# Altium PCB EASY-EAI-Nano-TB V1.01.PCBDOC (part 7 of 7) (continued)
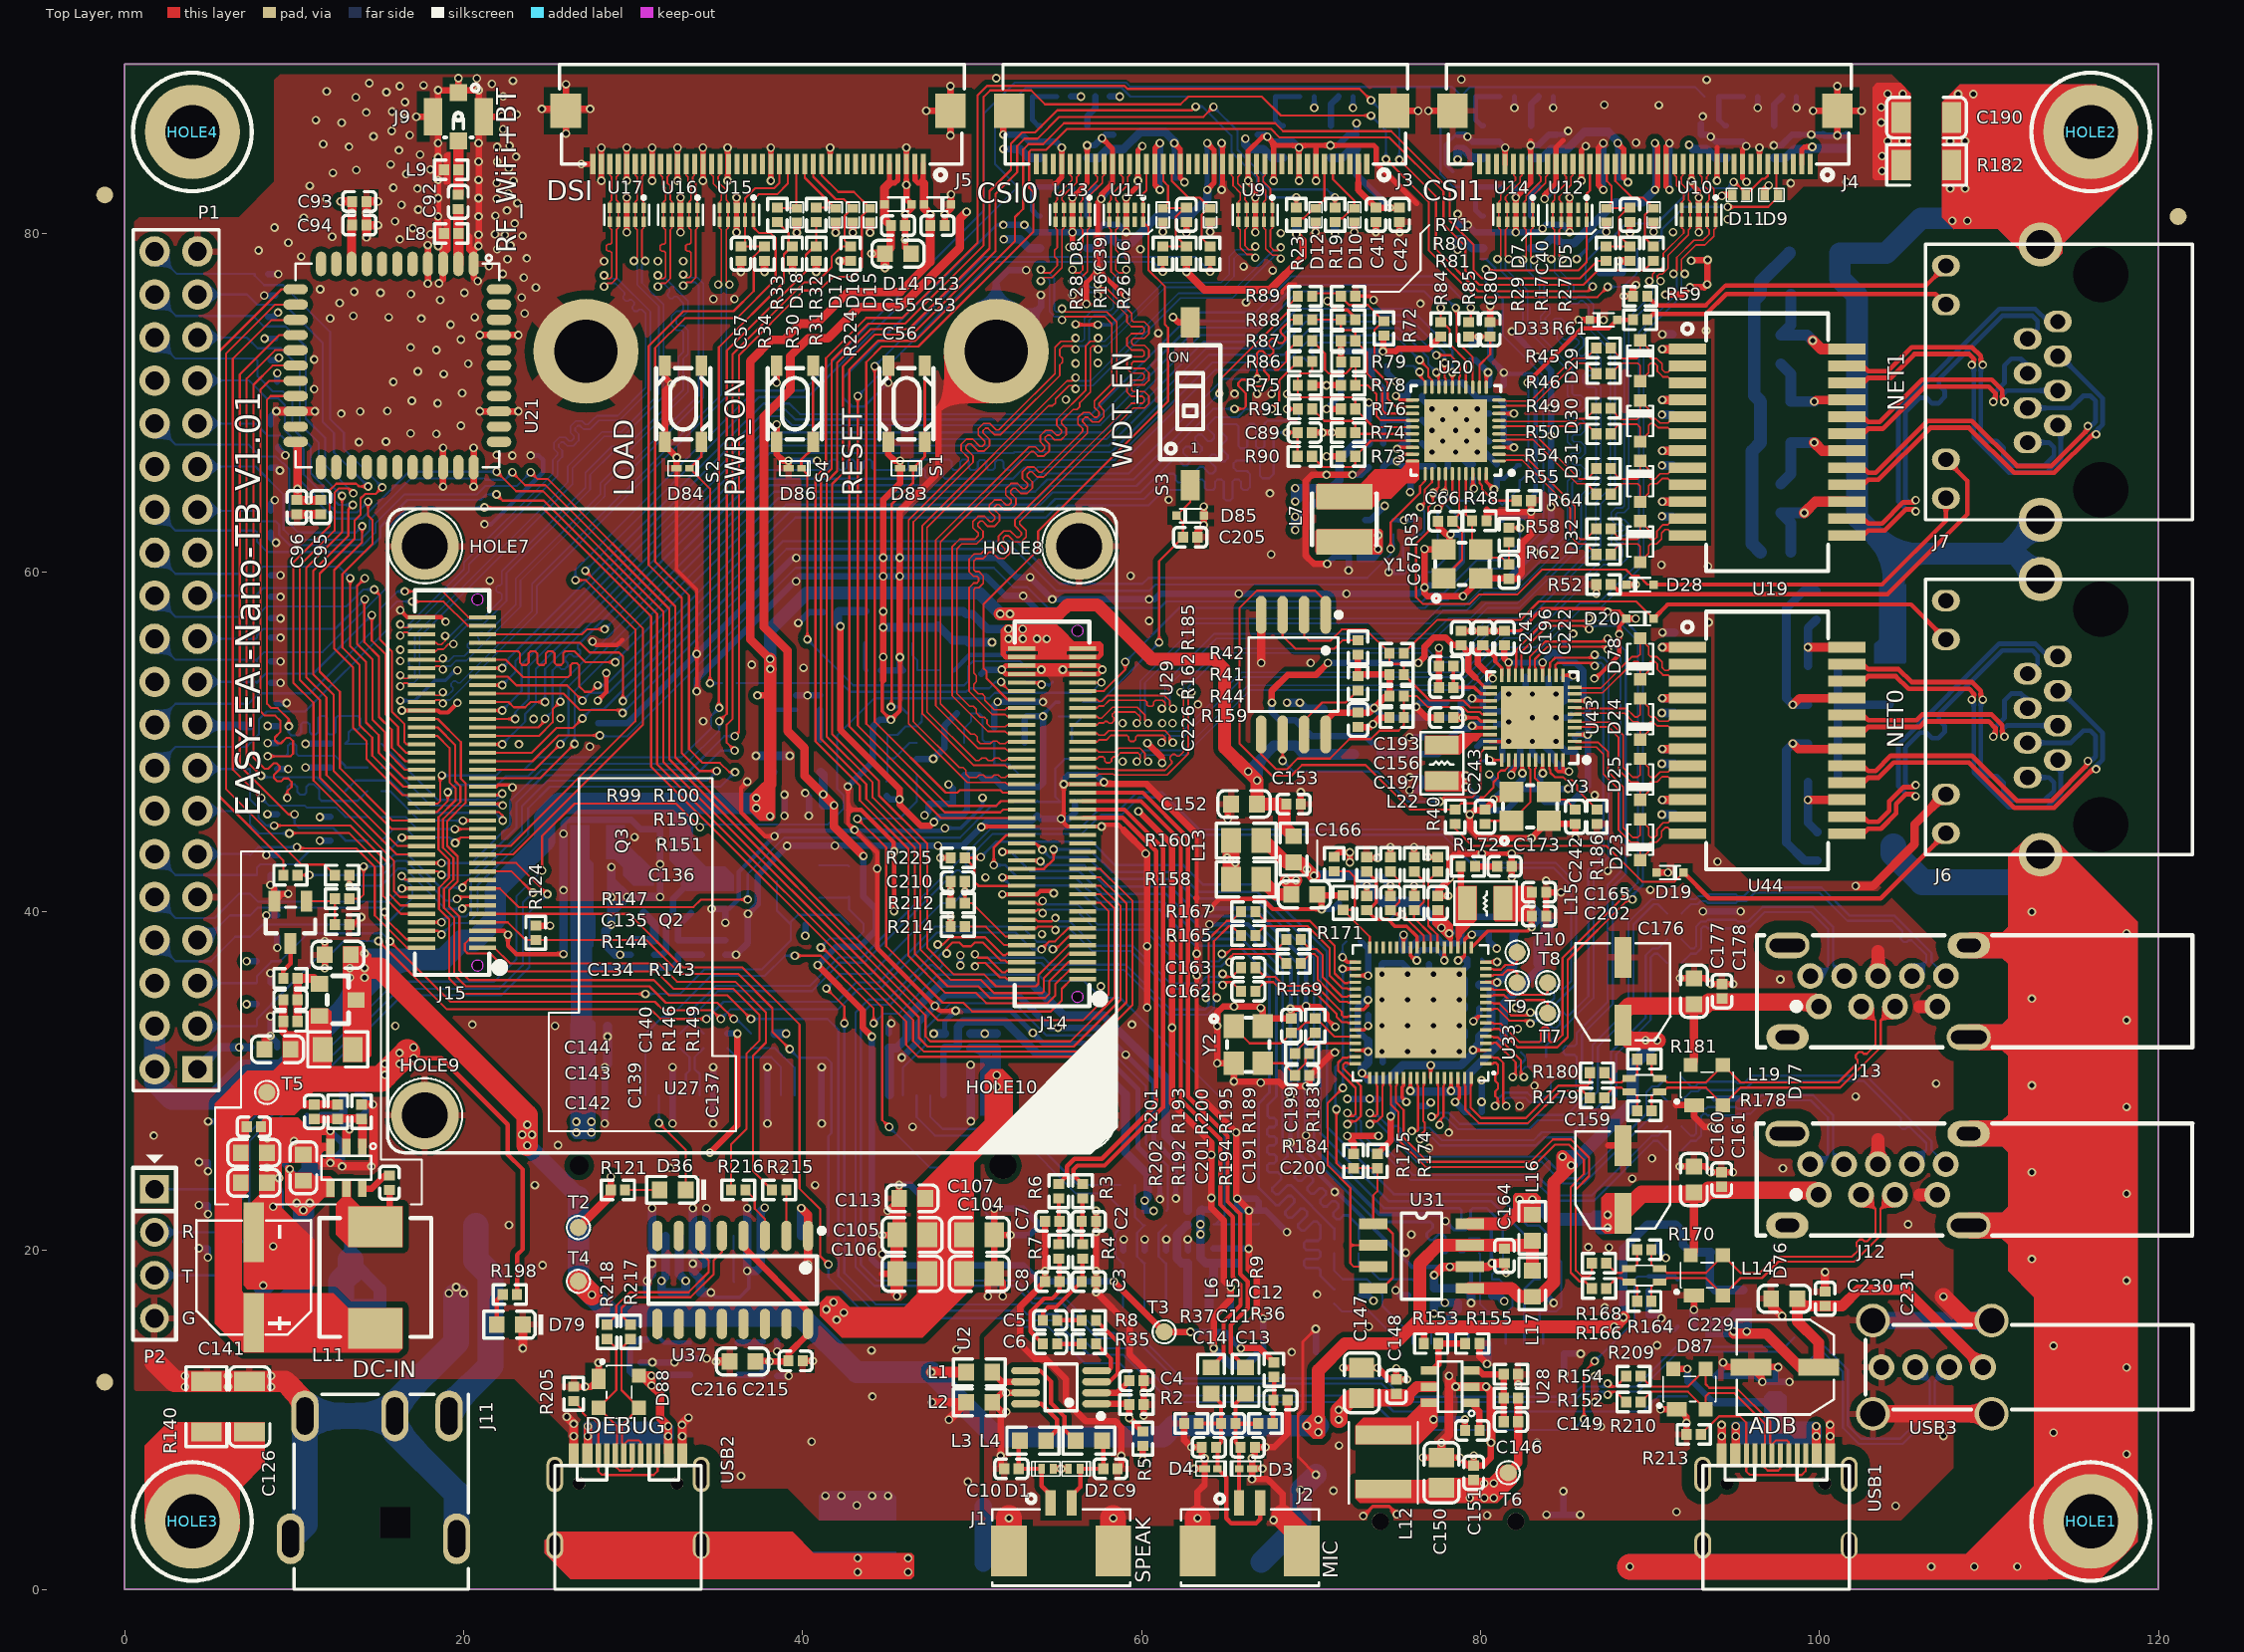
[diagram p0: Top Layer view]
## Nets (pads, with @x,y where several pads share a name; then routed paths per layer and width w, separated by ;. In a path a pad name is that pad's centre, name@x,y a point inside that pad or via, vN(x,y) a via of type N, cw(c..) or ccw(c..) an arc to the next point about the centre after c; other vN are vias at no path point) (continued)
  Bottom Layer w0.381: C184.1@73.372,32.367 72.755,32.985 72.755,34.348 73.187,34.78 v1(73.361,34.78) 73.372,34.791 C185.1@73.372,35.415
  Bottom Layer w0.508: C184.1@73.372,32.367 C186.1@73.372,31.097 73.014,30.739 v1(73.014,30.458) 73.39,30.081 74.559,30.081 75.403,30.925 v1(77.064,30.925) C189.1@77.861,30.926 C189.1@77.861,30.926 78.846,30.926 79.557,31.637 v1(79.557,31.818) 79.937,32.198 C188.1@79.937,32.621 80.618,33.302 80.618,35.456 v1@80.831,35.669 ; C187.1@79.937,35.669 v1@80.831,35.669 ; L18.2@81.917,36.755 v1(80.98,35.818) v1@80.831,35.669 ; L18.2@81.958,36.921 81.958,38.64 C183.1@82.035,38.717
WDT_3V3: C59.2 C121.1 C124.2 R134.2 R135.2 R136.2 U18.5 U24.5 U25.5 | length 35.3
  Top Layer w0.381: v1(42.233,56.827) 42.233,50.715 45.72,47.227 v1(45.72,46.609) 45.72,46.314 46.981,45.053 47.538,45.053 v1(47.76,45.275)
  Bottom Layer w0.203: v1(54.182,51.513) 54.182,51.614 54.918,52.35 R135.2@55.128,52.35
  Bottom Layer w0.381: R134.2@44.958,46.819 45.168,46.609 v1(45.72,46.609) ; v1(47.76,45.275) 48.059,45.574 49.326,45.574 49.711,45.959 C121.1@49.711,46.337 49.711,47.888 U24.5@49.543,48.056 50.427,48.056 50.648,47.835 R136.2@51.308,47.835 51.8,47.343 53.949,47.343 54.182,47.575 v1(54.182,51.513) C124.2@53.212,51.513 53.093,51.395 U25.5@53.093,49.954
  Bottom Layer w0.508: v1(42.233,56.827) 42.081,56.979 C59.2@42.081,57.658 42.142,57.719 U18.5@43.685,57.719
WDT_EN: R135.1 R207.1 U25.1 | length 3.2
  Bottom Layer w0.127: R135.1@55.128,51.5 R207.1@56.525,51.5 55.893,50.868 U25.1@55.893,49.954
WIFI_ON: J15.13 R99.1 | length 12.4
  Top Layer w0.127: R99.1@10.214,42.146 v1(10.895,42.146) ; v1(19.609,40.742) 19.727,40.859 J15.13@21.124,40.859
  Bottom Layer w0.127: v1(10.895,42.146) 15.209,42.146 16.055,42.992 16.603,42.992 18.956,40.639 19.557,40.639 19.609,40.691 19.603,40.696 19.603,40.736 v1(19.609,40.742)
WIFI_WAKE_HOST: J15.11 R100.1 | length 10
  Top Layer w0.127: v1(13.262,41.514) R100.1@13.262,42.146 ; v1(19.925,40.162) 19.922,40.165 20.116,40.359 J15.11@21.124,40.36
  Bottom Layer w0.127: v1(13.262,41.514) 15.126,41.514 16.139,42.527 16.557,42.527 18.938,40.146 19.902,40.146 19.918,40.162 v1(19.925,40.162)
X1: C200.2 R184.2 U33.45 Y2.3 | length 6.7
  Top Layer w0.127: Y2.3@67.281,31.038 68.351,31.038 C200.2@69.054,30.335 69.054,30.418 69.68,31.044 69.68,31.381 R184.2@69.904,31.605 70.517,32.218 U33.45@72.614,32.218
X2: C199.2 R183.1 U33.44 Y2.1 | length 8.7
  Top Layer w0.127: Y2.1@65.454,33.238 65.454,33.138 66.378,32.215 68.228,32.215 C199.2@68.844,32.831 69.069,33.056 69.279,33.056 69.676,33.453 70.013,33.453 R183.1@70.241,33.681 70.324,33.681 71.387,32.618 U33.44@72.614,32.618
XTALI: C243.2 U43.35 Y3.1 | length 5.7
  Top Layer w0.127: C243.2@80.264,45.168 80.449,45.353 Y3.1@81.831,45.353 82.951,46.472 82.951,48.371 82.858,48.463 U43.35@82.858,48.936
XTALO: C242.1 U43.36 Y3.3 | length 4.2
  Top Layer w0.127: U43.36@83.258,48.936 83.258,48.463 83.205,48.41 83.205,47.879 Y3.3@84.031,47.053 84.475,46.609 85.007,46.609 C242.1@85.598,46.018
pads on no net: D35.3 J3.1 J3.3 J3.4 J3.8 J3.10 J3.11 J3.20 J3.21 J3.22 J3.38 J3.39 J3.40 J4.1 J4.3 J4.4 J4.8 J4.10 J4.11 J4.20 J4.21 J4.22 J4.38 J4.39 J4.40 J5.6 J5.7 J5.8 J5.9 J5.10 J5.11 J5.20 J5.21 J5.22 J5.23 J6.BO1 J6.BO2 J7.BO1 J7.BO2 J8.0 J10.0 J10.3 J10.5 J10.6 J10.7 J10.11 J10.13 J10.19 J10.20 J10.23 J10.25 J10.28 J10.30 J10.32 J10.33 J10.45 J10.46 J10.47 J10.48 J10.49 J10.51 J11.0 J14.15 J14.17 U11.2 U11.9 U12.2 U12.9 U21.5 U21.6 U21.7 U21.8 U21.10 U21.11 U21.21 U21.23 U21.24 U21.25 U21.26 U21.27 U21.28 U21.29 U21.30 U21.32 U21.34 U21.35 U21.37 U21.38 U21.39 U21.40 U21.42 U21.43 U21.44 U33.28 U33.29 U33.30 U33.31 U37.7 U37.8 U37.9 U37.10 U37.11 U37.12 U37.13 U37.14 U37.15 USB1. USB2.

## Polygon pours and split planes (outlines as drawn)
VCC3V3 on VCC "VCC3V3_L03_P027" (solid, remove dead copper, pour order 27): 58.943,9.304 59.496,8.751 59.496,5.706 60.47,4.732 104.302,4.732 107.35,7.78 107.35,37.703 103.27,41.783 94.582,41.783 92.949,43.416 92.949,78.57 95.938,81.559 97.385,81.559 98.892,83.065 103.718,83.065 104.531,83.879 104.531,87.587 103.261,88.857 28.384,88.857 26.045,86.518 26.045,77.985 23.249,75.19 16.923,75.19 14.278,77.835 14.278,82.107 13.523,82.862 8.646,82.862 6.741,80.957 2.19,80.957 1.305,80.073 1.305,14.257 2.321,13.241 23.607,13.241 27.544,9.304
AVDD33 on VCC "AVDD33_L03_P023" (solid, remove dead copper, pour order 23): 80.477,40.68 77.393,43.764 69.616,43.764 68.181,42.33 68.181,41.776 72.964,36.993 72.964,30.973 75.463,28.473 78.775,28.473 80.477,30.176
VCC5V0_BASE on VCC "VCC5V0_BASE_L03_P026" (solid, remove dead copper, pour order 26): 34.995,37.777 38.667,37.777 54.95,54.061 54.95,56.141 54.154,56.936 46.762,56.936 23.889,34.063 16.523,34.063 14.564,32.105 14.564,30.482 15.016,30.03 27.248,30.03
VCC3V3_PHY1 on VCC "VCC3V3_PHY1_L03_P021" (solid, remove dead copper, pour order 21): 79.937,71.978 80.28,72.321 81.747,72.321 82.052,72.067 83.249,70.87 83.249,65.643 80.147,62.541 74.823,62.541 74.349,63.015 74.349,66.349 74.984,66.984 75.746,66.984 76.065,66.665 76.065,65.125 76.873,64.317 79.81,64.317 82.371,66.878 82.371,69.757 82.096,70.032 81.544,70.032 81.207,70.369 79.937,71.639
CHIP_GND on VCC "CHIP_GND_L03_P025" (solid, remove dead copper, pour order 25): 25.654,78.204 23.142,75.692 17.018,75.692 14.732,77.978 14.732,82.296 13.716,83.312 9.398,83.312 8.89,83.82 8.89,89.154 9.144,89.408 25.146,89.408 25.654,88.9
VDD10_PHY1 on VCC "VDD10_PHY1_L03_P022" (solid, remove dead copper, pour order 22): 79.607,64.571 82.223,67.187 82.223,69.549 81.994,69.778 81.41,69.778 79.759,71.429 74.111,71.429 71.936,69.254 71.936,61.142 72.19,60.888 74.374,60.888 74.603,61.117 74.603,62.361 74.07,62.895 74.07,66.476 74.857,67.263 75.873,67.263 76.356,66.781 76.356,65.231 77.016,64.571 77.473,64.571
VCC_4G on VCC "VCC_4G_L03_P024" (solid, remove dead copper, pour order 24): 35.341,16.644 37.127,14.859 42.418,14.859 42.926,15.367 42.926,16.51 41.148,18.288 41.148,26.289 40.506,26.931 30.947,26.931 29.957,27.922 26.096,27.922 25.08,26.906 25.08,25.026 25.08,22.918 31.354,16.644
CHIP_GND on GND "CHIP_GND_L02_P020" (solid, remove dead copper, pour order 20): 0.584,11.785 0.667,11.702 9.317,11.702 10.043,12.428 22.997,12.428 26.172,9.253 26.172,7.68 27.901,5.951 39.106,5.951 40.975,4.082 104.821,4.082 107.888,7.149 107.888,37.165 103.27,41.783 95.877,41.783 93.81,43.85 93.81,79.177 96.022,81.389 97.673,81.389 99.07,82.786 105.014,82.786 105.384,83.156 105.384,88.283 104.259,89.408 7.52,89.408 0.584,82.472
AGND on GND "AGND_L02_P019" (solid, remove dead copper, pour order 19): 53.721,22.987 54.104,23.37 57.656,23.37 58.039,22.987 58.039,17.526 61.214,14.351 63.746,14.351 64.081,14.016 64.081,12.156 64.292,11.945 67.899,11.945 68.869,10.975 68.869,4.452 68.167,3.75 51.69,3.75 50.734,4.706 50.734,14.855 53.721,17.842
AGND on Top Layer "AGND_L01_P017" (solid, remove dead copper, pour order 17): 53.721,22.987 54.104,23.37 57.656,23.37 58.039,22.987 58.039,17.526 61.214,14.351 63.746,14.351 64.081,14.016 64.081,12.156 64.292,11.945 67.899,11.945 68.869,10.975 68.869,4.452 68.167,3.75 51.69,3.75 50.734,4.706 50.734,14.855 53.721,17.842
CHIP_GND on Top Layer "C" (solid, remove dead copper, pour order 18): 0.584,11.785 0.667,11.702 9.317,11.702 10.043,12.428 22.997,12.428 26.172,9.253 26.172,7.68 27.901,5.951 39.106,5.951 40.975,4.082 104.821,4.082 107.888,7.149 107.888,37.165 103.27,41.783 95.877,41.783 93.81,43.85 93.81,79.177 96.022,81.389 97.673,81.389 99.07,82.786 105.014,82.786 105.384,83.156 105.384,88.283 104.259,89.408 7.52,89.408 0.584,82.472
CHIP_GND on Bottom Layer "CHIP_GND_L04_P028" (solid, remove dead copper, pour order 28): 0.584,11.785 0.667,11.702 9.317,11.702 10.043,12.428 22.997,12.428 26.172,9.253 26.172,7.68 27.901,5.951 39.106,5.951 40.975,4.082 104.821,4.082 107.888,7.149 107.888,36.765 102.87,41.783 95.877,41.783 93.81,43.85 93.81,79.177 96.022,81.389 97.673,81.389 99.07,82.786 105.014,82.786 105.384,83.156 105.384,88.283 104.259,89.408 7.52,89.408 0.584,82.472

## Keep-outs
Keep-Out Layer:
  the board outline again, w0.127

## Other copper
Top Layer:
  pour cut-out: 76.724,50.368 76.724,47.168 78.724,47.168 78.724,50.368
  pour cut-out: 72.618,9.664 72.618,5.364 75.918,5.364 75.918,9.664
  region net VCC_5V: 36.881,46.838 36.881,45.949 37.465,45.364 38.252,45.364 38.379,45.491 38.379,47.514 38.32,47.574 37.617,47.574
  region net USB3.0_A: 88.893,20.983 87.348,20.983 87.122,21.209 87.122,23.114 87.391,23.383 88.893,23.383
  region net USB3.0_A: 83.548,21.641 83.548,23.132 83.312,23.368 82.042,23.368 81.915,23.241 81.915,21.971 82.245,21.641 82.568,21.641
  region net PHY_VDD1V0: 76.724,48.268 76.724,47.168 76.8,47.092 79.248,47.092 79.4,47.244 79.4,48.133 79.265,48.268
  region net VCC_5V: 69.469,9.525 70.104,8.89 70.637,8.89 70.815,9.068 70.815,10.211 70.637,10.389 70.079,10.389 69.469,9.779
  region net PHY_REGOUT: 80.959,50.335 80.053,50.335 79.781,50.063 79.578,50.063 78.783,49.268 76.724,49.268 76.724,50.368 78.724,50.368 78.891,50.535 80.959,50.535
  pour cut-out: -1.168,11.127 -1.06,11.127 -0.848,11.169 -0.647,11.252 -0.467,11.373 -0.314,11.526 -0.194,11.706 -0.111,11.906 -0.068,12.119 -0.068,12.227 -0.068,12.336 -0.111,12.548 -0.194,12.748 -0.314,12.928 -0.467,13.082 -0.647,13.202 -0.848,13.285 -1.06,13.327 -1.168,13.327 -1.277,13.327 -1.489,13.285 -1.689,13.202 -1.87,13.082 -2.023,12.928 -2.143,12.748 -2.226,12.548 -2.268,12.336 -2.268,12.227 -2.268,12.119 -2.226,11.906 -2.143,11.706 -2.023,11.526 -1.87,11.373 -1.689,11.252 -1.489,11.169 -1.277,11.127 -1.168,11.127
  pour cut-out: 121.158,79.91 121.266,79.91 121.479,79.953 121.679,80.036 121.859,80.156 122.012,80.309 122.133,80.489 122.216,80.69 122.258,80.902 122.258,81.01 122.258,81.119 122.216,81.331 122.133,81.531 122.012,81.712 121.859,81.865 121.679,81.985 121.479,82.068 121.266,82.11 121.158,82.11 121.05,82.11 120.837,82.068 120.637,81.985 120.457,81.865 120.304,81.712 120.183,81.531 120.1,81.331 120.058,81.119 120.058,81.01 120.058,80.902 120.1,80.69 120.183,80.489 120.304,80.309 120.457,80.156 120.637,80.036 120.837,79.953 121.05,79.91 121.158,79.91
  pour cut-out: -1.168,81.18 -1.06,81.18 -0.848,81.223 -0.647,81.306 -0.467,81.426 -0.314,81.579 -0.194,81.759 -0.111,81.96 -0.068,82.172 -0.068,82.28 -0.068,82.389 -0.111,82.601 -0.194,82.801 -0.314,82.982 -0.467,83.135 -0.647,83.255 -0.848,83.338 -1.06,83.38 -1.168,83.38 -1.277,83.38 -1.489,83.338 -1.689,83.255 -1.87,83.135 -2.023,82.982 -2.143,82.801 -2.226,82.601 -2.268,82.389 -2.268,82.28 -2.268,82.172 -2.226,81.96 -2.143,81.759 -2.023,81.579 -1.87,81.426 -1.689,81.306 -1.489,81.223 -1.277,81.18 -1.168,81.18
  region net EARTH: 111.135,22.591 110.779,22.235 108.8,22.235 108.8,20.711 110.759,20.711 111.135,20.335 111.135,18.786 112.674,17.247 112.674,6.093 108.087,1.506 108.088,1.334 108.088,1.126 108.087,1.125 108.595,0.617 116.567,0.617 118.769,2.819 118.769,39.398 113.892,44.275 112.121,44.275 111.135,43.289 111.135,39.101 110.797,38.762 108.809,38.762 108.809,37.238 110.793,37.238 111.13,36.911 111.13,33.685 110.787,33.342 108.809,33.342 108.809,31.818 110.787,31.818 111.135,31.47 111.135,28.001 110.789,27.655 108.8,27.655 108.8,26.131 110.789,26.131 110.795,26.137 111.135,25.796
  region net CHIP_GND: 105.384,88.283 104.785,88.882 103.388,88.882 103.134,88.628 103.134,83.294 103.272,83.156 105.384,83.156
  region net EARTH: 107.234,80.972 107.938,80.268 110.517,80.293 112.272,78.539 114.043,78.539 114.34,78.836 114.34,79.366 118.792,83.818 118.792,86.305 116.304,88.793 108.277,88.793 107.234,87.75
  region net EARTH: 46.424,2.141 46.584,1.981 46.584,0.787 46.413,0.617 26.299,0.617 24.775,2.141 24.775,2.903 24.797,2.903 25.284,3.39 39.401,3.39 40.65,2.141
  region net VCC_4G: 45.987,16.65 42.786,16.65 42.139,17.297 41.402,17.297 41.021,16.916 41.021,16.154 42.316,14.859 47.088,14.859 50.118,17.889 50.118,25.173 52.398,27.453 52.398,30.093 51.801,30.691 51.115,30.691 50.759,30.335 50.759,27.663 46.771,23.675 46.771,17.434
  region net CHIP_GND: 53.944,54.65 55.481,54.65 55.595,54.536 55.595,53.996 55.48,53.881 54.019,53.881 53.872,54.027 53.872,54.598 53.921,54.647
  region net VCC5V0_BASE: 55.357,56.59 55.011,56.936 51.986,56.936 51.697,56.647 51.697,55.498 51.835,55.36 52.125,55.36 53.909,55.36 53.909,55.139 54.038,55.01 55.439,55.01 55.572,55.144 55.572,55.3 55.633,55.36 57.573,55.36 57.744,55.532 57.744,55.76 57.566,55.938 56.009,55.938
  pour cut-out: 70.285,61.091 70.285,65.257 73.587,65.257 73.587,61.091
  region net VDD10_PHY1: 74.111,61.082 70.403,61.082 70.276,61.209 70.276,62.454 70.403,62.581 71.089,62.581 74.111,62.581 74.244,62.448 74.244,61.215
  region net PHY1_REG_OUT: 74.73,64.368 74.171,64.368 73.562,63.758 70.412,63.758 70.285,63.885 70.285,65.13 70.412,65.257 72.927,65.257 73.765,66.095 74.672,66.095 75.314,66.095 75.594,66.374 75.594,66.603 75.67,66.679 76.279,66.679 76.381,66.578 76.381,65.511 76.152,65.282 75.644,65.282
  region net DVDD12: 83.034,41.495 83.215,41.314 83.215,39.599 83.024,39.408 80.861,39.408 80.774,39.495 80.774,41.495
  region net SW: 78.546,38.464 78.546,41.367 78.674,41.495 79.774,41.495 79.774,39.495 78.902,38.623 78.902,38.525 78.75,38.373 78.637,38.373
  region net V5: 77.155,39.252 78.158,38.249 78.238,38.249 78.374,38.385 78.374,39.201 77.805,39.77 77.805,40.37 77.155,40.37
  region net VCC3V3: 80.985,5.113 82.142,6.27 82.142,6.879 81.706,7.314 81.291,7.314 80.546,6.569 76.962,6.569 76.857,6.464 72.618,6.464 72.618,5.364 72.869,5.113
  region net NetC146_2: 76.475,11.259 76.475,10.94 75.651,10.117 73.071,10.117 72.618,9.664 72.618,8.564 76.411,8.564 77.475,9.627 77.475,10.315 77.475,11.259
  region net VCC_5V: 12.888,37.937 12.888,31.129 12.893,31.124 14.21,31.124 14.564,31.478 14.564,37.44 14.067,37.937 13.818,37.937
  region net EARTH0: 8.276,9.852 2.565,9.852 1.2,8.487 1.2,4 3.11,2.09 5.446,2.09 6.794,3.438 6.794,5.902 8.276,7.384 8.276,8.722
  region net VCC_12V: 9.487,24.972 9.487,22.853 10.28,22.061 10.724,22.061 11.808,23.144 12.391,23.144 12.391,24.144 12.16,24.375 11.235,24.375 11.041,24.569 10.096,24.569 9.981,24.685 9.981,24.911 9.863,25.029 9.544,25.029
  region net CHIP_GND: 9.362,25.179 9.281,25.098 9.281,22.512 10.03,21.763 11.195,20.598 11.195,18.032 10.874,17.711 7.249,17.711 7.03,17.93 7.03,22.394 7.935,23.299 7.935,27.492 8.275,27.832 10.252,27.832 10.883,27.201 11.384,27.201 11.618,26.967 11.618,25.422 11.375,25.179
  region net VCC5V0_BASE: 16.393,16.597 13.193,16.597 12.313,17.477 7.03,17.477 6.903,17.604 6.903,23.073 7.325,23.495 7.325,27.682 7.625,27.982 10.033,27.982 10.656,28.604 10.656,29.064 10.852,29.261 11.017,29.261 12.2,30.444 12.2,34.099 12.012,34.287 10.996,34.287 10.72,34.012 10.72,33.098 10.557,32.935 9.713,32.935 9.332,32.554 9.332,31.148 8.773,30.589 7.249,30.589 5.331,28.671 5.331,15.676 7.03,13.977 16.173,13.977 16.393,14.197
  region net NetC137_2: 13.341,23.144 13.888,22.597 16.393,22.597 16.393,20.197 13.193,20.197 12.456,20.934 12.456,22.759 12.841,23.144 12.841,24.144 13.341,24.144
  region net CHIP_GND: 19.229,84.823 19.018,84.823 18.845,84.651 18.845,82.95 18.908,82.888 19.187,82.888 19.229,82.929
  region net CHIP_GND: 19.229,79.179 18.845,79.179 18.845,80.83 19.229,80.83
GND:
  region net EARTH: 48.651,2.141 49.032,1.76 49.032,0.617 26.299,0.617 24.775,2.141 24.775,2.903 24.797,2.903 25.284,3.39 39.401,3.39 40.65,2.141
  region net EARTH: 107.234,80.972 107.938,80.268 110.517,80.293 112.272,78.539 114.043,78.539 114.34,78.836 114.34,79.366 118.792,83.818 118.792,86.305 116.304,88.793 108.277,88.793 107.234,87.75
  region net EARTH: 111.135,22.591 110.779,22.235 108.8,22.235 108.8,20.711 110.759,20.711 111.135,20.335 111.135,18.786 112.674,17.247 112.674,6.093 108.087,1.506 108.088,1.334 108.088,1.126 108.087,1.125 108.595,0.617 116.567,0.617 118.769,2.819 118.769,39.398 113.892,44.275 112.121,44.275 111.135,43.289 111.135,39.101 110.797,38.762 108.809,38.762 108.809,37.238 110.803,37.238 111.13,36.911 111.13,33.685 110.787,33.342 108.809,33.342 108.809,31.818 110.787,31.818 111.135,31.47 111.135,28.001 110.789,27.655 108.8,27.655 108.8,26.131 110.8,26.131 111.135,25.796
  pour cut-out: 18.755,77.63 ccw(c19.695,77.63) 20.635,77.63 20.635,81.447 20.635,86.773 ccw(c19.695,86.773) 18.755,86.773 18.755,81.447
VCC:
  region net EARTH: 111.135,22.591 110.779,22.235 108.8,22.235 108.8,20.711 110.759,20.711 111.135,20.335 111.135,18.786 112.674,17.247 112.674,6.093 108.087,1.506 108.088,1.334 108.088,1.126 108.087,1.125 108.595,0.617 116.567,0.617 118.769,2.819 118.769,39.398 113.892,44.275 112.121,44.275 111.135,43.289 111.135,39.101 110.797,38.762 108.809,38.762 108.809,38 108.809,37.238 110.793,37.238 111.125,36.906 111.135,34.239 111.135,33.69 110.787,33.342 108.809,33.342 108.809,31.818 110.787,31.818 111.135,31.47 111.135,28.001 110.789,27.655 108.8,27.655 108.8,26.131 110.8,26.131 111.135,25.796
  region net EARTH: 107.234,80.972 107.938,80.268 110.517,80.293 112.272,78.539 114.043,78.539 114.34,78.836 114.34,79.366 118.792,83.818 118.792,86.305 116.304,88.793 108.277,88.793 107.234,87.75
  region net EARTH: 49.032,0.617 26.299,0.617 24.775,2.141 24.775,2.903 24.797,2.903 25.284,3.39 39.401,3.39 40.65,2.141 46.238,2.141 48.651,2.141 49.032,1.76
Bottom Layer:
  region net EARTH: 103.24,55.776 103.515,56.051 103.515,59.318 105.115,59.318 105.115,54.721 105.04,54.646 103.24,54.646
  region net USB3.0_A: 87.757,22.352 87.884,22.225 87.884,21.082 87.757,20.955 86.925,20.955 86.087,21.793 86.646,22.352 87.249,22.352
  region net PHY_VDD1V0: 79.248,47.092 77.869,47.092 77.826,47.135 77.826,48.115 77.971,48.26 79.273,48.26 79.4,48.133 79.4,47.244
  region net USB20_5V: 93.258,16.091 94.519,16.091 95.014,16.586 95.994,16.586 95.994,15.044 95.834,14.884 95.828,14.891 93.258,14.891
  pour cut-out: -1.168,15.527 -1.06,15.527 -0.848,15.485 -0.647,15.402 -0.467,15.282 -0.314,15.128 -0.194,14.948 -0.111,14.748 -0.068,14.536 -0.068,14.427 -0.068,14.319 -0.111,14.106 -0.194,13.906 -0.314,13.726 -0.467,13.573 -0.647,13.452 -0.848,13.369 -1.06,13.327 -1.168,13.327 -1.277,13.327 -1.489,13.369 -1.689,13.452 -1.87,13.573 -2.023,13.726 -2.143,13.906 -2.226,14.106 -2.268,14.319 -2.268,14.427 -2.268,14.536 -2.226,14.748 -2.143,14.948 -2.023,15.128 -1.87,15.282 -1.689,15.402 -1.489,15.485 -1.277,15.527 -1.168,15.527
  pour cut-out: 121.158,84.31 121.266,84.31 121.479,84.268 121.679,84.185 121.859,84.065 122.012,83.912 122.133,83.731 122.216,83.531 122.258,83.319 122.258,83.21 122.258,83.102 122.216,82.89 122.133,82.689 122.012,82.509 121.859,82.356 121.679,82.236 121.479,82.153 121.266,82.11 121.158,82.11 121.05,82.11 120.837,82.153 120.637,82.236 120.457,82.356 120.304,82.509 120.183,82.689 120.1,82.89 120.058,83.102 120.058,83.21 120.058,83.319 120.1,83.531 120.183,83.731 120.304,83.912 120.457,84.065 120.637,84.185 120.837,84.268 121.05,84.31 121.158,84.31
  pour cut-out: -1.168,85.58 -1.06,85.58 -0.848,85.538 -0.647,85.455 -0.467,85.335 -0.314,85.182 -0.194,85.001 -0.111,84.801 -0.068,84.589 -0.068,84.48 -0.068,84.372 -0.111,84.16 -0.194,83.959 -0.314,83.779 -0.467,83.626 -0.647,83.506 -0.848,83.423 -1.06,83.38 -1.168,83.38 -1.277,83.38 -1.489,83.423 -1.689,83.506 -1.87,83.626 -2.023,83.779 -2.143,83.959 -2.226,84.16 -2.268,84.372 -2.268,84.48 -2.268,84.589 -2.226,84.801 -2.143,85.001 -2.023,85.182 -1.87,85.335 -1.689,85.455 -1.489,85.538 -1.277,85.58 -1.168,85.58
  pour cut-out: 16.274,17.49 16.274,14.281 15.59,14.281 15.545,14.326 15.545,17.274 15.761,17.49
  pour cut-out: 9.783,14.679 11.573,14.679 11.573,16.799 11.354,17.018 10.49,17.018 9.783,16.311
  pour cut-out: 37.949,66.432 38.232,66.149 48.547,66.149 48.87,66.472 48.87,69.017 48.538,69.348 38.201,69.348 37.949,69.096
  pour cut-out: 31.862,66.745 32.424,66.184 32.424,65.984 32.222,65.783 32.072,65.783 31.589,66.266 31.589,66.472
  region net EARTH: 111.135,25.796 111.135,22.591 110.779,22.235 108.8,22.235 108.8,20.711 110.759,20.711 111.135,20.335 111.135,18.786 112.674,17.247 112.674,6.093 108.087,1.506 108.088,1.334 108.088,1.126 108.087,1.125 108.595,0.617 116.567,0.617 118.769,2.819 118.769,39.398 113.892,44.275 112.121,44.275 111.135,43.289 111.135,39.101 110.797,38.762 108.809,38.762 108.809,37.238 110.793,37.238 111.135,36.906 111.135,33.69 110.787,33.342 108.809,33.342 108.809,31.818 110.787,31.818 111.135,31.47 111.135,28.001 110.789,27.655 108.8,27.655 108.8,26.131 110.8,26.131
  region net V5BUS: 94.916,9.888 96.502,9.888 96.723,10.109 96.723,11.4 97.009,11.686 97.734,11.686 98.044,11.376 98.044,10.109 98.265,9.888 99.869,9.888 100.123,9.634 100.123,8.872 99.807,8.556 95.059,8.556 94.789,8.826 94.789,9.761
  region net EARTH: 107.234,80.972 107.938,80.268 110.517,80.293 112.272,78.539 114.043,78.539 114.34,78.836 114.34,79.366 118.792,83.818 118.792,86.305 116.304,88.793 108.277,88.793 107.234,87.75
  region net EARTH: 45.26,0.617 45.531,0.888 45.531,2.232 40.559,2.232 39.401,3.39 25.284,3.39 24.797,2.903 24.775,2.903 24.775,2.141 26.299,0.617
  region net VCC_4G: 26.299,26.83 26.553,26.576 27.696,26.576 27.779,26.659 27.779,33.454 27.652,33.581 26.497,33.581 26.299,33.383
  region net VCC_4G: 27.422,45.092 26.322,45.092 26.322,38.313 26.934,37.701 27.407,37.701 27.651,37.945 27.651,42.863 27.422,43.092 27.422,45.007
  region net NetL10_1: 31.223,42.429 29.522,44.13 29.522,45.092 28.422,45.092 28.422,43.092 28.909,43.092 29.423,42.578 29.423,42.131 30.023,41.531 31.223,41.531
  region net VCC_5V: 33.538,46.103 33.185,46.457 32.54,46.457 32.145,46.062 32.145,44.854 32.145,43.031 32.823,42.353 32.823,41.531 33.132,41.222 35.939,41.222 35.939,42.152 35.437,42.654 34.3,42.654 33.538,43.416
  region net VDD10_PHY1: 72.714,61.387 72.714,60.69 72.769,60.635 73.716,60.635 74.213,61.132 74.213,61.387 74.213,62.403 74.086,62.53 72.816,62.53 72.714,62.428
  region net VCC5V0_CH340: 32.141,9.888 27.188,9.888 27.061,9.761 27.061,8.826 27.331,8.556 32.079,8.556 32.395,8.872 32.395,9.634
  region net VCC_4G: 51.445,31.497 50.753,31.497 50.479,31.223 50.479,27.959 51.482,27.959 51.699,28.176 51.699,31.359 51.562,31.496 51.445,31.496
  region net CHIP_GND: 40.975,5.544 41.231,5.8 45.19,5.8 45.531,5.46 45.531,4.082 40.975,4.082
Multi-Layer:
  pour cut-out: 0,80.107 0.868,80.975 6.731,80.975 8.839,83.083 8.839,89.06 9.779,90 0,90

## Silkscreen, mask and mechanical layers (free items; w line width, h text height)
Top Overlay:
  region: 56.971,25.76 50.218,25.76 58.525,34.068 58.525,27.314
  lines w0.127: 6.106,22.715 5.344,22.715 5.344,28.43 6.868,28.43 6.868,43.543 14.996,43.543 15.123,43.543 15.123,25.36 17.536,25.36 17.536,22.715 16.901,22.715 ; 8.9,22.715 12.456,22.715 ; 56.271,79.611 56.652,79.992 60.394,79.992 60.648,80.246 ; 70.358,42.037 70.358,44.196 ; 73.543,76.563 75.194,76.563 76.464,77.833 76.464,79.992 76.972,80.5 ; 82.433,79.611 82.814,79.992 86.556,79.992 86.81,80.246 ; 25.029,27.033 36.078,27.033 36.078,31.478 34.681,31.478 34.681,47.861 26.807,47.861 26.807,34.018 26.426,34.018 25.029,34.018 25.029,27.033
  lines w0.2: 15.525,26.757 ccw(c16.522,26.757) 16.522,25.76 56.971,25.76 58.525,27.314 58.525,62.764 ccw(c57.528,62.764) 57.528,63.76 16.522,63.76 ccw(c16.522,62.764) 15.525,62.764 15.525,26.757
  text "DSI" at 24.902,81.54 h2.03
  text "CSI1" at 76.591,81.54 h2.03
  text "CSI0" at 50.287,81.402 h2.03
  text "RF_WiFi+BT" at 23.527,78.849 h2.03 r90
  text "NET1" at 105.306,69.536 h1.65 r90
  text "WDT_EN" at 59.849,66.149 h2.03 r90
  text "LOAD" at 30.466,64.498 h2.03 r90
  text "PWR_ON" at 36.989,64.498 h2.03 r90
  text "RESET" at 43.928,64.498 h2.03 r90
  text "NET0" at 105.296,49.64 h1.65 r90
  text "EASY-EAI-Nano-TB V1.01" at 8.489,45.575 h2.54 r90
  text "R" at 3.378,20.726 h0.76
  text "T" at 3.404,18.085 h0.76
  text "G" at 3.378,15.621 h0.76
  text "DC-IN" at 13.429,12.171 h1.65
  text "DEBUG" at 27.151,8.87 h1.65
  text "ADB" at 95.832,8.87 h1.65
  text "MIC" at 71.871,0.64 h1.52 r90
  text "SPEAK" at 60.825,0.363 h1.52 r90
Bottom Overlay:
  drawing of 1807 lines, arcs and shapes, not listed
  text "SDO" at 18.669,78.562 h0.76
  text "GND" at 21.844,78.562 h0.76
  text "SDI" at 18.415,76.022 h0.76
  text "5_C2" at 22.403,76.022 h0.76
  text "MCLK" at 18.898,73.482 h0.76
  text "LRCK" at 22.301,73.482 h0.76
  text "PWM1" at 22.377,71.476 h0.76
  text "GND" at 18.669,70.942 h0.76
  text "CH1" at 21.92,70.358 h0.76
  text "PWM1" at 18.974,68.91 h0.76
  text "SPI1" at 21.946,68.91 h0.76
  text "CH0" at 18.694,67.818 h0.76
  text "CLK" at 21.946,67.818 h0.76
  text "SPI1" at 21.946,66.37 h0.76
  text "GND" at 18.669,65.862 h0.76
  text "MISO" at 22.174,65.303 h0.76
  text "MOSI" at 18.085,63.932 h0.76
  text "SPI1" at 15.189,63.906 h0.76
  text "SPI1" at 20.65,63.881 h0.76
  text "CS0" at 15.113,62.763 h0.76
  text "SPI0" at 15.189,61.366 h0.76
  text "GND" at 22.174,60.833 h0.76
  text "CS1" at 14.986,60.249 h0.76
  text "SPI0" at 15.189,58.801 h0.76
  text "CLK" at 17.526,58.014 h0.76
  text "SPI0" at 20.015,58.014 h0.76
  text "CS0" at 15.138,57.683 h0.76
  text "SPI1" at 18.542,56.21 h0.76
  text "SPI0" at 22.047,56.21 h0.76
  text "CS1" at 18.466,55.169 h0.76
  text "MISO" at 22.022,55.169 h0.76
  text "SPI0" at 22.047,53.696 h0.76
  text "GND" at 18.644,53.162 h0.76
  text "MOSI" at 22.149,52.578 h0.76
  text "CANT" at 19.025,50.622 h0.76
  text "3V3" at 22.047,50.622 h0.76
  text "CANR" at 19.025,48.082 h0.76
  text "5_C1" at 22.25,48.082 h0.76
  text "GND" at 18.644,45.542 h0.76
  text "5_C0" at 22.403,45.542 h0.76
  text "SCLK" at 18.898,43.002 h0.76
  text "RX6" at 21.971,43.002 h0.76
  text "RX7" at 18.593,40.462 h0.76
  text "GND" at 22.047,40.462 h0.76
  text "TX7" at 18.593,37.922 h0.76
  text "TX6" at 21.971,37.922 h0.76
  text "GND" at 18.669,35.281 h0.76
  text "SCL5" at 22.301,35.281 h0.76
  text "SDA5" at 22.352,32.868 h0.76
  text "5V" at 18.263,32.842 h0.76
  text "5V" at 18.263,30.81 h0.76
  text "3V3" at 22.047,30.81 h0.76
  text "TF" at 85.608,18.446 h2.03 r270
Mechanical 1:
  circle w0.127: c122.5,7.5 r1
  circle w0.127: c-2.5,7.5 r1
  circle w0.127: c-2.5,87.5 r1
  lines w0.051: 0,0 -5,0 -5,90 0,90 ; 120,0 125,0 125,90 120,90
  lines w0.127: -0.33,92.94 0,92 ; 0.025,94.769 0,92 ; 0.33,92.94 0,92 ; 119.67,92.94 120,92 ; 120.026,94.769 120,92 ; 120.33,92.94 120,92 ; 0,0 0,90 120,90 120,0 0,0
  text "VCUT" at 0.406,95.226 h0.76 r90
  text "VCUT" at 120.407,95.226 h0.76 r90

## Text inside footprints (layer, text, board x,y; h text height)
J10: Bottom Overlay "51" at 27.338,19.297 h0.71 r180; Bottom Overlay "52" at 25.854,31.134 h0.71 r180; Bottom Overlay "2" at 51.299,30.974 h0.81 r180
S3: Top Overlay "1" at 62.875,67.064 h0.6; Top Overlay "ON" at 61.605,72.398 h0.6